# KiCad board GPDI_ULX3S_panel.kicad_pcb (continued)
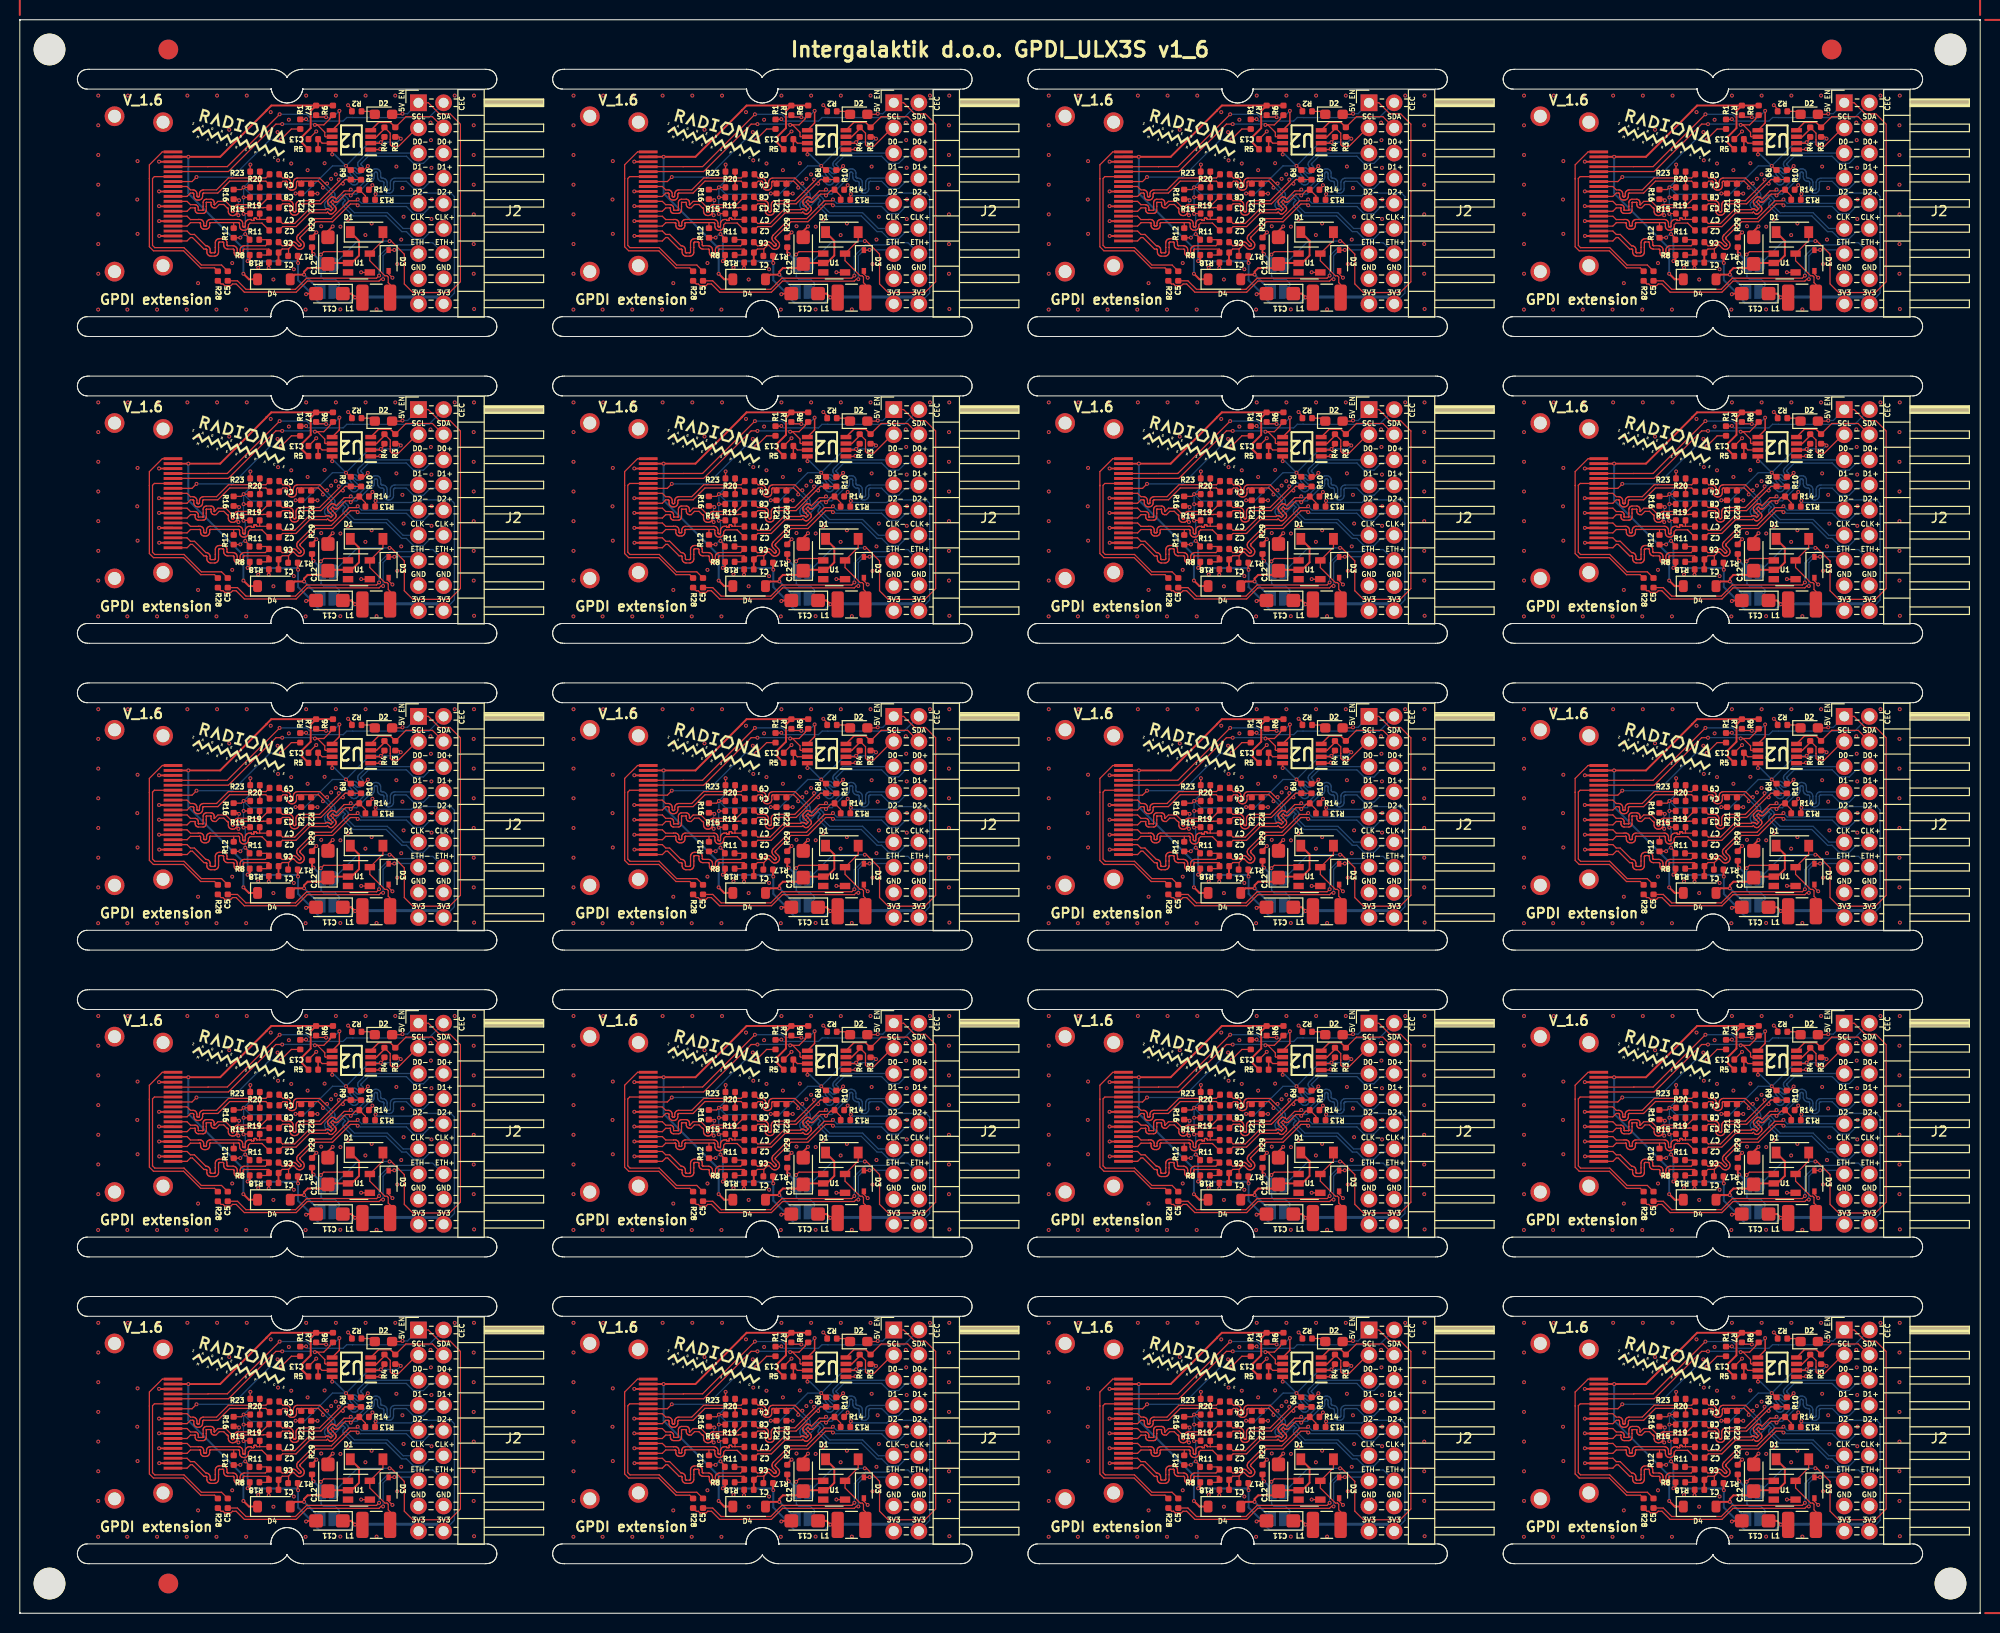
[diagram p0: board, top side]
## Routing (per net, layer and track width the routed paths; a pad name or vN(x,y) marks a point on that pad's centre or on a via; arc(x,y) is an arc through that point) (continued)
Board_19-GPDI_D0-: length 20.9
  Top w0.127: C8.1 170.53,18.72 171.18,18.72 171.28,18.71 171.37,18.68 171.45,18.63 171.52,18.56 171.57,18.48 171.6,18.39 171.61,18.29 171.61,17.72 171.62,17.69 171.63,17.66 171.64,17.63 171.66,17.61 171.69,17.59 171.72,17.58 171.75,17.58 171.78,17.58 171.81,17.59 171.84,17.61 171.86,17.63 171.88,17.66 171.89,17.69 171.89,17.72 171.89,18.29 171.9,18.39 171.94,18.48 171.99,18.56 172.06,18.63 172.14,18.68 172.23,18.71 172.33,18.72 174.27,18.72 176.22,20.67 v1(176.22,20.86)
  Bottom w0.127: J2#2.5 179.08,23.53 178.23,22.68 178.18,22.62 178.14,22.54 178.12,22.45 178.12,22.37 178.14,22.28 178.18,22.21 178.23,22.14 178.36,22.01 178.37,21.99 178.38,21.97 178.39,21.95 178.39,21.93 178.38,21.91 178.37,21.9 178.36,21.88 178.29,21.81 178.28,21.8 178.26,21.79 178.24,21.78 178.22,21.78 178.2,21.79 178.18,21.8 178.16,21.81 178.03,21.94 177.97,21.99 177.89,22.03 177.8,22.05 177.72,22.05 177.63,22.03 177.56,21.99 177.49,21.94 177.45,21.9 177.39,21.83 177.35,21.74 177.33,21.65 177.33,21.55 177.35,21.45 177.39,21.37 177.45,21.29 177.87,20.88 177.89,20.85 177.9,20.82 177.91,20.79 177.91,20.76 177.9,20.73 177.89,20.7 177.87,20.68 177.84,20.66 177.81,20.64 177.78,20.64 177.75,20.64 177.72,20.64 177.69,20.66 177.67,20.68 177.25,21.09 177.18,21.15 177.09,21.19 177,21.22 176.9,21.22 176.8,21.19 176.72,21.15 176.64,21.09 176.41,20.86 v1(176.22,20.86)
Board_19-GPDI_D1+: length 26.6
  Top w0.127: C2#20.1 170.54,16.1 171.9,16.1 173.29,17.49 174.99,17.49 175.08,17.58 175.21,17.46 175.26,17.42 175.32,17.39 175.39,17.37 175.46,17.37 175.52,17.39 175.58,17.42 175.63,17.46 175.86,17.68 175.9,17.74 175.93,17.8 175.95,17.86 175.95,17.93 175.93,17.99 175.9,18.06 175.86,18.11 175.62,18.35 175.63,18.36 175.41,18.58 175.61,18.78 175.73,18.66 175.78,18.61 175.85,18.59 175.91,18.57 175.98,18.57 176.04,18.59 176.1,18.61 176.16,18.66 176.89,19.39 177.29,19.39 v1(177.42,19.25) 177.91,19.74 178.19,19.74 R14#5.1 178.91,19.21 R13#3.2
  Bottom w0.127: J2#2.8 186.48,20.68 185.48,20.68 184.76,19.95 183.76,19.95 183.04,20.68 181.91,20.68 181.87,20.67 181.84,20.66 181.81,20.64 181.78,20.61 181.76,20.58 181.75,20.55 181.75,20.51 181.75,19.94 181.73,19.84 181.7,19.74 181.65,19.65 181.57,19.58 181.49,19.53 181.39,19.49 181.29,19.48 181.23,19.48 181.13,19.49 181.03,19.53 180.95,19.58 180.88,19.65 180.82,19.74 180.79,19.84 180.78,19.94 180.78,20.51 180.77,20.55 180.76,20.58 180.74,20.61 180.71,20.64 180.68,20.66 180.65,20.67 180.61,20.68 180.58,20.68 180.48,20.69 180.38,20.72 180.3,20.78 180.23,20.85 180.17,20.93 180.14,21.03 180.13,21.13 180.13,21.45 180.12,21.49 180.11,21.53 180.09,21.56 180.06,21.58 180.03,21.6 180,21.62 179.96,21.62 179.92,21.62 179.89,21.6 179.86,21.58 179.83,21.56 179.81,21.53 179.8,21.49 179.8,21.45 179.8,21.13 179.78,21.03 179.75,20.93 179.7,20.85 179.62,20.78 179.54,20.72 179.44,20.69 179.34,20.68 179.31,20.68 178.03,19.39 177.56,19.39 v1(177.42,19.25)
Board_19-GPDI_D1-: length 21
  Top w0.127: v1(177.42,19.85) 177.29,19.71 176.76,19.71 175.94,18.89 175.82,19.02 175.77,19.06 175.71,19.09 175.64,19.11 175.57,19.11 175.51,19.09 175.45,19.06 175.39,19.02 175.17,18.79 175.13,18.74 175.1,18.68 175.08,18.62 175.08,18.55 175.1,18.48 175.13,18.42 175.17,18.37 175.41,18.13 175.4,18.12 175.62,17.9 175.42,17.7 175.3,17.82 175.24,17.86 175.18,17.89 175.12,17.91 175.05,17.91 174.98,17.89 174.92,17.86 174.87,17.82 174.86,17.81 173.16,17.81 171.77,16.42 170.54,16.42 C7#11.1
  Bottom w0.127: v1(177.42,19.85) 177.56,19.71 177.89,19.71 179.18,21 179.31,21 179.35,21 179.38,21.01 179.41,21.03 179.44,21.06 179.46,21.09 179.47,21.12 179.48,21.16 179.48,21.48 179.49,21.58 179.52,21.68 179.58,21.77 179.65,21.84 179.73,21.89 179.83,21.93 179.93,21.94 179.99,21.94 180.09,21.93 180.19,21.89 180.27,21.84 180.35,21.77 180.4,21.68 180.43,21.58 180.45,21.48 180.45,21.16 180.45,21.12 180.46,21.09 180.48,21.06 180.51,21.03 180.54,21.01 180.57,21 180.61,21 180.64,21 180.74,20.98 180.84,20.95 180.92,20.9 181,20.82 181.05,20.74 181.08,20.64 181.1,20.54 181.1,19.97 181.1,19.93 181.11,19.89 181.13,19.86 181.16,19.84 181.19,19.82 181.22,19.8 181.26,19.8 181.3,19.8 181.33,19.82 181.36,19.84 181.39,19.86 181.41,19.89 181.42,19.93 181.43,19.97 181.43,20.54 181.44,20.64 181.47,20.74 181.53,20.82 181.6,20.9 181.68,20.95 181.78,20.98 181.88,21 J2#2.7
Board_19-GPDI_D2+: length 22.7
  Top w0.127: v1(178.12,18.25) 177.99,18.39 177.39,18.39 175.59,16.59 173.89,16.59 172.34,15.04 172.32,15.01 172.3,14.98 172.3,14.95 172.3,14.92 172.3,14.89 172.32,14.86 172.34,14.84 172.6,14.57 172.67,14.49 172.71,14.41 172.73,14.31 172.73,14.21 172.71,14.12 172.67,14.03 172.6,13.96 172.57,13.92 172.49,13.86 172.4,13.82 172.31,13.79 172.21,13.79 172.12,13.82 172.03,13.86 171.95,13.92 171.69,14.19 171.66,14.21 171.63,14.22 171.6,14.23 171.57,14.23 171.54,14.22 171.51,14.21 171.49,14.19 171.14,13.84 ; 171.14,13.84 170.5,13.84 C1#3.1 ; 171.14,13.84 171.14,13.19 R17.2
  Top w0.2: C1#3.1 170.13,13.47 R18#8.1
  Bottom w0.127: J2#2.10 186.48,18.14 185.48,18.14 184.76,17.41 183.76,17.41 183.04,18.14 178.38,18.14 178.27,18.25 v1(178.12,18.25)
Board_19-GPDI_D2-: length 17.8
  Top w0.127: C6#6.1 170.5,14.16 171.01,14.16 171.28,14.43 171.36,14.49 171.44,14.53 171.54,14.56 171.64,14.56 171.73,14.53 171.82,14.49 171.89,14.43 172.16,14.16 172.19,14.14 172.21,14.13 172.25,14.12 172.28,14.12 172.31,14.13 172.34,14.14 172.36,14.16 172.38,14.19 172.39,14.22 172.4,14.25 172.4,14.28 172.39,14.31 172.38,14.34 172.36,14.36 172.09,14.63 172.03,14.71 171.99,14.79 171.97,14.89 171.97,14.98 171.99,15.08 172.03,15.17 172.09,15.24 173.76,16.91 175.46,16.91 177.26,18.71 177.99,18.71 v1(178.12,18.85)
  Bottom w0.127: v1(178.12,18.85) 178.52,18.46 J2#2.9
Board_19-GPDI_ETH+: length 25.7
  Top w0.127: C5#12.1 165.98,10.62 166.84,9.77 171.84,9.77 172.97,10.89 180.03,10.89 v1(180.29,11.15)
  Bottom w0.127: J2#2.14 185.71,14.47 183.87,14.47 183.65,14.25 181.41,14.25 180.29,13.13 v1(180.29,11.15)
Board_19-GPDI_ETH-: length 24.8
  Top w0.127: v1(180.69,10.79) 180.48,10.79 180.29,10.6 173.03,10.6 171.91,9.48 166.68,9.48 165.85,10.31 165.48,10.31 165.31,10.14 164.69,10.14 164.52,10.31 164.32,10.31 R28#15.2 ; 181.25,13.72 181.8,13.72 v1(181.82,13.75)
  Bottom w0.127: J2#2.13 183.89,13.75 v1(181.82,13.75) 181.27,13.75 180.69,13.16 180.69,10.79 v1(180.69,10.79)
Board_19-GPDI_SCL: length 21.1
  Top w0.127: P1#16.15 159.48,21.67 165.07,21.67 169.86,26.46 v1(170.5,26.46) ; R6#10.2 175.32,27.06 175.32,27 174.7,26.38 v1(173.8,26.38) 174.05,26.38 174.8,25.63 174.8,25.25 174.87,25.18 U2#11.6
  Bottom w0.127: v1(173.8,26.38) 173.71,26.47 170.51,26.47 v1(170.5,26.46)
Board_19-GPDI_SDA: length 22.8
  Top w0.127: v1(174.93,27.16) 174.91,27.18 174.11,27.18 R7#8.2 ; P1#16.16 163.01,22.15 163.02,22.17 164.96,22.17 v1(170.24,27.45)
  Top w0.15: U2#11.5 176.27,26.57 v1(176.27,27.8)
  Bottom w0.127: v1(170.24,27.45) 172.97,27.45 173.25,27.17 174.92,27.17 v1(174.93,27.16) 174.99,27.1 175.58,27.1 v1(176.27,27.8)
Board_19-Net-(D1-A): length 8.1
  Top w0.127: L1#2.2 181.4,10.25 181.21,10.44 181.21,11.01 181.08,11.13 180.87,11.13 179.35,12.66 U1.5 180.67,14.7 D1#20.2
Board_19-Net-(D1-K): length 13.2
  Top w0.2: D1#20.1 178.26,14.66 178.26,13.18 177.51,12.43 U1.2 175.22,12.43 C12#20.1 174.7,11.91 173.07,11.91 172.71,11.55 v1(172.71,11.25) 171.78,11.25 D4#4.2
  Bottom w0.2: JP2#14.1 174.37,9.59 v1(172.71,11.25)
Board_19-Net-(D2-K): length 1.5
  Top w0.127: D2#13.1 179.55,27.75 R2#19.1
Board_19-Net-(U2-VREF2): length 2.6
  Top w0.127: C13#12.1 174.53,24.53 U2#11.7
  Top w0.15: R5#3.2 C13#12.1
Board_19-PMOD_SCL: length 8.1
  Top w0.127: R4.2 181.41,25.55 181.41,24.88 181.41,24.88 181.41,24.38 181.59,24.21 182.25,24.21 184.11,26.07 J2#2.3 183.88,25.69
  Top w0.15: R4.2 180.82,25.98 180.03,25.18 U2#11.3
Board_19-PMOD_SDA: length 8.8
  Top w0.127: R3#6.2 183,27.21 185.67,27.21 J2#2.4
  Top w0.15: U2#11.4 180.24,26.63 181.43,26.63 R3#6.2

## Copper pours and planes (outline as drawn; the poured copper is in the pictures)
(no net) on Top: 0,160.99 0,0.01 0.01,0 197.98,0 197.99,0.01 197.99,160.99 197.98,161 0.01,161 ; 20 cut-outs
(no net) on Bottom: 0,160.99 0,0.01 0.01,0 197.98,0 197.99,0.01 197.99,160.99 197.98,161 0.01,161 ; 20 cut-outs
Board_0-GND on In1.Cu: 46.97,131 7,131.02 7.01,154.02 46.99,154
Board_0-GND on In2.Cu: 46.99,131.01 7.02,131.02 7.03,153.96 47.01,153.99
Board_1-GND on In1.Cu: 94.97,131 55,131.02 55.01,154.02 94.99,154
Board_1-GND on In2.Cu: 94.99,131.01 55.02,131.02 55.03,153.96 95.01,153.99
Board_2-GND on In1.Cu: 142.97,131 103,131.02 103.01,154.02 142.99,154
Board_2-GND on In2.Cu: 142.99,131.01 103.02,131.02 103.03,153.96 143.01,153.99
Board_3-GND on In1.Cu: 190.97,131 151,131.02 151.01,154.02 190.99,154
Board_3-GND on In2.Cu: 190.99,131.01 151.02,131.02 151.03,153.96 191.01,153.99
Board_4-GND on In1.Cu: 46.97,100 7,100.02 7.01,123.02 46.99,123
Board_4-GND on In2.Cu: 46.99,100.01 7.02,100.02 7.03,122.96 47.01,122.99
Board_5-GND on In1.Cu: 94.97,100 55,100.02 55.01,123.02 94.99,123
Board_5-GND on In2.Cu: 94.99,100.01 55.02,100.02 55.03,122.96 95.01,122.99
Board_6-GND on In1.Cu: 142.97,100 103,100.02 103.01,123.02 142.99,123
Board_6-GND on In2.Cu: 142.99,100.01 103.02,100.02 103.03,122.96 143.01,122.99
Board_7-GND on In1.Cu: 190.97,100 151,100.02 151.01,123.02 190.99,123
Board_7-GND on In2.Cu: 190.99,100.01 151.02,100.02 151.03,122.96 191.01,122.99
Board_8-GND on In1.Cu: 46.97,69 7,69.02 7.01,92.02 46.99,92
Board_8-GND on In2.Cu: 46.99,69.01 7.02,69.02 7.03,91.96 47.01,91.99
Board_9-GND on In1.Cu: 94.97,69 55,69.02 55.01,92.02 94.99,92
Board_9-GND on In2.Cu: 94.99,69.01 55.02,69.02 55.03,91.96 95.01,91.99
Board_10-GND on In1.Cu: 142.97,69 103,69.02 103.01,92.02 142.99,92
Board_10-GND on In2.Cu: 142.99,69.01 103.02,69.02 103.03,91.96 143.01,91.99
Board_11-GND on In1.Cu: 190.97,69 151,69.02 151.01,92.02 190.99,92
Board_11-GND on In2.Cu: 190.99,69.01 151.02,69.02 151.03,91.96 191.01,91.99
Board_12-GND on In1.Cu: 46.97,38 7,38.02 7.01,61.02 46.99,61
Board_12-GND on In2.Cu: 46.99,38.01 7.02,38.02 7.03,60.96 47.01,60.99
Board_13-GND on In1.Cu: 94.97,38 55,38.02 55.01,61.02 94.99,61
Board_13-GND on In2.Cu: 94.99,38.01 55.02,38.02 55.03,60.96 95.01,60.99
Board_14-GND on In1.Cu: 142.97,38 103,38.02 103.01,61.02 142.99,61
Board_14-GND on In2.Cu: 142.99,38.01 103.02,38.02 103.03,60.96 143.01,60.99
Board_15-GND on In1.Cu: 190.97,38 151,38.02 151.01,61.02 190.99,61
Board_15-GND on In2.Cu: 190.99,38.01 151.02,38.02 151.03,60.96 191.01,60.99
Board_16-GND on In1.Cu: 46.97,7 7,7.02 7.01,30.02 46.99,30
Board_16-GND on In2.Cu: 46.99,7.01 7.02,7.02 7.03,29.96 47.01,29.99
Board_17-GND on In1.Cu: 94.97,7 55,7.02 55.01,30.02 94.99,30
Board_17-GND on In2.Cu: 94.99,7.01 55.02,7.02 55.03,29.96 95.01,29.99
Board_18-GND on In1.Cu: 142.97,7 103,7.02 103.01,30.02 142.99,30
Board_18-GND on In2.Cu: 142.99,7.01 103.02,7.02 103.03,29.96 143.01,29.99
Board_19-GND on In1.Cu: 190.97,7 151,7.02 151.01,30.02 190.99,30
Board_19-GND on In2.Cu: 190.99,7.01 151.02,7.02 151.03,29.96 191.01,29.99

## Text on the board
B.Silkscreen: 5V EN | CEC | SCL | GND | 3V3 | D0- | D1- | D2- | CLK- | ETH- | SDA | D0+ | D1+ | D2+ | CLK+ | ETH+
User.Comments: V-CUT
F.Silkscreen: SCL | GND | 3V3 | D0- | D1- | D2- | CLK- | ETH- | SDA | D0+ | D1+ | D2+ | CLK+ | ETH+ | 5V EN | CEC | V_1.6 | GPDI extension | Intergalaktik d.o.o. GPDI_ULX3S v1_6
